# Altium PCB POV_LED.PcbDoc (part 1 of 2) (continued)
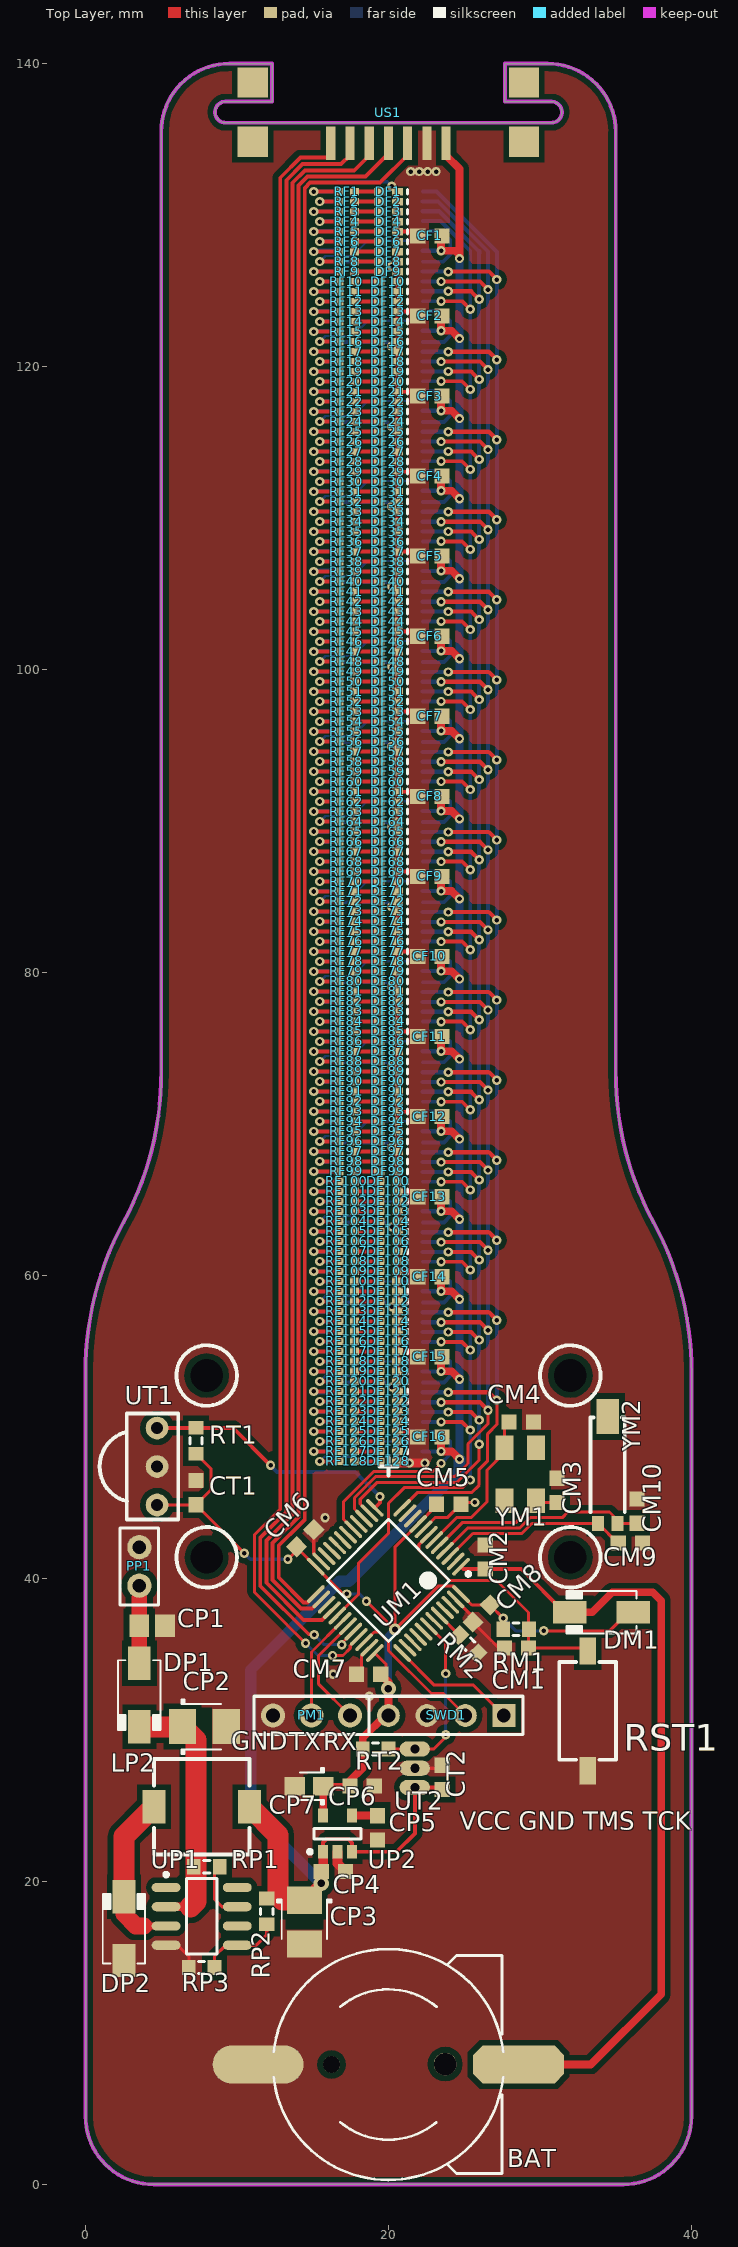
[diagram p0: Top Layer view]
## Footprints (in the part's own frame and the unit in brackets; to place one, negate y for a bottom-side part, rotate by r counter-clockwise, add the part's x,y. Pads: shape width x height; smd on the part's side, far side on the other; paste and mask are expansions set on the pad) (continued)
BATM [mm]
  round 1.1 hole 1.1 unplated: 0(0,3.748)
  round 1.5 hole 1.5 unplated: 0(0.025,-3.752)
  oct 2.5x6 smd: 1(0,-8.602)
  oval 2.5x6 smd: 2(0,8.598)
  silkscreen extent -7.62,-7.58 7.62,7.57
CAP_TAN_B1210 [mm]
  rect 1.8x2.3 smd: 1(-1.45,0) 2(1.45,0)
  Top Layer pour cut-out: -0.508,1.27 0.508,1.27 0.508,-1.27 -0.508,-1.27
  silkscreen extent -1.5,-1.8 1.1,1.8, body extent -1.75,-1.4 1.75,1.4, height 2.1
CAP_TAN_P0805 [mm]
  rect 1.35x1.2 smd: 1(-0.95,0) 2(0.95,0)
  Top Layer pour cut-out: -0.4,0.8 0.4,0.8 0.4,-0.8 -0.4,-0.8
  silkscreen extent -1,-1.2 0.6,1.2, body extent -1.02,-0.67 1.03,0.68, height 1.5
CAPC1608N [mm] "Chip Capacitor, Body 1.6x0.8mm, IPC Medium Density"
  rect 1x1 smd: 1(-0.8,0) 2(0.8,0)
  body extent -0.87,-0.48 0.87,0.48, height 0.85
CAPC2012N [mm] "Chip Capacitor, Body 2.0x1.3mm, IPC Medium Density"
  rect 1.3x1.5 smd: 1(-0.85,0) 2(0.85,0)
  body extent -1.1,-0.72 1.1,0.72, height 1.1
CD1005-0402-L [mm] "Chip Diode; Body 1.0 x 0.5 mm (LxW typ)"
  rect 0.7x0.5 smd: 1(0,0) 2(1.2,0)
  silkscreen extent 1.85,-0.15 1.85,0.15
DO-214AC [mm]
  rect 2.2x1.5 smd: 1(-2.1,0) 2(2.1,0)
  silkscreen extent -2.3,-1.4 2.3,1.4, body extent -2.6,-1.3 2.6,1.3, height 2.42
HDR1X2 [mm] "Connector; Header; 2 Position"
  round 1.6 hole 0.9: 1(0,0) 2(2.54,0)
  silkscreen extent -1.27,-1.27 3.81,1.27
HDR1X3 [mm] "Connector; Header; 3 Position"
  round 1.6 hole 0.9: 1(0,0) 2(2.54,0) 3(5.08,0)
  silkscreen extent -1.27,-1.27 6.32,1.27
HDR1X4 [mm] "Connector; Header; 4 Position"
  rect 1.5x1.5 hole 0.9: 1(0,0)
  round 1.5 hole 0.9: 2(2.54,0) 3(5.08,0) 4(7.62,0)
  silkscreen extent -1.27,-1.27 8.89,1.27
HS0038 [mm]
  round 1.5 hole 0.8: 1(0,0) 2(2.54,0) 3(5.08,0)
  silkscreen extent -0.96,-3.79 6.04,1.4
IND_7032 [mm]
  rect 1.5x2.2 smd: 1(0,0) 2(6.3,0)
  silkscreen extent 0,-3.15 6.3,3.15
LQFP48_L [mm] "Thin QFP, 48-Leads, Body 7x7mm, Pitch 0.5mm, IPC High Density"
  oval 1.55x0.25 smd: 1(-4.025,2.75) 2(-4.025,2.25) 3(-4.025,1.75) 4(-4.025,1.25) 5(-4.025,0.75) 6(-4.025,0.25) 7(-4.025,-0.25) 8(-4.025,-0.75) 9(-4.025,-1.25) 10(-4.025,-1.75) 11(-4.025,-2.25) 12(-4.025,-2.75) 25(4.025,-2.75) 26(4.025,-2.25) 27(4.025,-1.75) 28(4.025,-1.25) 29(4.025,-0.75) 30(4.025,-0.25) 31(4.025,0.25) 32(4.025,0.75) 33(4.025,1.25) 34(4.025,1.75) 35(4.025,2.25) 36(4.025,2.75)
  oval 0.25x1.55 smd: 13(-2.75,-4.025) 14(-2.25,-4.025) 15(-1.75,-4.025) 16(-1.25,-4.025) 17(-0.75,-4.025) 18(-0.25,-4.025) 19(0.25,-4.025) 20(0.75,-4.025) 21(1.25,-4.025) 22(1.75,-4.025) 23(2.25,-4.025) 24(2.75,-4.025) 37(2.75,4.025) 38(2.25,4.025) 39(1.75,4.025) 40(1.25,4.025) 41(0.75,4.025) 42(0.25,4.025) 43(-0.25,4.025) 44(-0.75,4.025) 45(-1.25,4.025) 46(-1.75,4.025) 47(-2.25,4.025) 48(-2.75,4.025)
  silkscreen extent -4.15,-2.85 2.85,3.55, body extent -3.5,-3.5 3.5,3.5, height 1.6
RESC1005L-0.5 [mm] "Chip Resistor, Body 1.1x0.5mm, IPC High Density"
  rect 0.6x0.5 smd: 1(-0.5,0) 2(0.5,0)
  body extent -0.55,-0.3 0.55,0.3, height 0.4
RESC1608N [mm] "Chip Resistor, Body 1.6x0.8mm, IPC Medium Density"
  rect 0.9x1 smd: 1(-0.85,0) 2(0.85,0)
  silkscreen extent -0.2,-0.4 0.2,0.4, body extent -0.85,-0.48 0.85,0.48, height 0.6
SOLID_LED1 [mm]
  rect 0.6x2.2 smd: 1(0,0) 2(1.27,0) 3(2.54,0) 4(3.81,0) 5(5.08,0) 6(6.35,0) 7(7.62,0)
  rect 2x2 smd: 8(-5.14,-0.1) 8(-5.14,-4.008) 8(12.76,-4.008) 8(12.76,-0.1)
  rect 2x2 smd far side: 8(-5.14,-0.1) 8(-5.14,-4.008) 8(12.76,-4.008) 8(12.76,-0.1)
SOP8_L [mm] "SOIC, 8-Leads, Body 4.9x3.9mm, Pitch 1.27mm, IPC High Density"
  oval 1.9x0.6 smd: 1(-2.35,1.905) 2(-2.35,0.635) 3(-2.35,-0.635) 4(-2.35,-1.905) 5(2.35,-1.905) 6(2.35,-0.635) 7(2.35,0.635) 8(2.35,1.905)
  silkscreen extent -2.47,-2.5 1,2.88, body extent -2,-2.5 2,2.5, height 1.75
SOT23-5_L [mm] "SOT23, 5-Leads, Body 2.9x1.6mm, Pitch 0.95mm, Lead Span 2.8mm, IPC High Density"
  rect 0.9x0.65 smd: 1(-1.2,0.95) 2(-1.2,0) 3(-1.2,-0.95) 4(1.2,-0.95) 5(1.2,0.95)
  silkscreen extent -1.32,-1.55 0.35,1.95, body extent -0.9,-1.55 0.9,1.55, height 1.45
SW-3x6 [mm] "3x6x2.5mm"
  rect 1.8x1.1 smd: 1(0,0) 2(7.9,0)
  silkscreen extent 0.72,-1.88 7.18,1.88
TSSOP-16N [mm] "TSOP, 16-Leads, Body 5.00x4.40mm, Pitch 0.65mm, IPC Medium Density"
  oval 1.55x0.3 smd: 1(-3.175,2.275) 2(-3.175,1.625) 3(-3.175,0.975) 4(-3.175,0.325) 5(-3.175,-0.325) 6(-3.175,-0.975) 7(-3.175,-1.625) 8(-3.175,-2.275) 9(2.425,-2.275) 10(2.425,-1.625) 11(2.425,-0.975) 12(2.425,-0.325) 13(2.425,0.325) 14(2.425,0.975) 15(2.425,1.625) 16(2.425,2.275)
  silkscreen extent -4.67,-2.45 1.3,2.45, body extent -2.15,-2.45 1.4,2.45, height 1.2
"XTAL-206 - duplicate" [mm] "圆柱晶振 2mm X 6mm"
  rect 0.8x1 smd: 1(0.004,0) 2(1.276,0)
  rect 1.5x2.3 smd: 3(0.64,7.054)
  silkscreen extent -0.49,0.76 1.77,7
XTAL-5032 [mm]
  rect 1.6x1.2 smd: 1(0,0) 2(3.5,2.1) 3(3.5,0) 4(0,2.1)

## Part data
BAT: library part BAT
CF1 CF2 CF3 CF4 CF5 CF6 CF7 CF8 CF9 CF10 CF11 CF12 CF13 CF14 CF15 CF16 CM1 CM2 CM3 CM4 CM5 CM6 CM7 CM8 CM9 CM10 CP1 CP2 CP3 CP4 CP5 CP6 CP7 CT1 CT2: "Capacitor"
DF1 DF2 DF3 DF4 DF5 DF6 DF7 DF8 DF9 DF10 DF11 DF12 DF13 DF14 DF15 DF16 DF17 DF18 DF19 DF20 DF21 DF22 DF23 DF24 DF25 DF26 DF27 DF28 DF29 DF30 DF31 DF32 DF33 DF34 DF35 DF36 DF37 DF38 DF39 DF40 DF41 DF42 DF43 DF44 DF45 DF46 DF47 DF48 DF49 DF50 DF51 DF52 DF53 DF54 DF55 DF56 DF57 DF58 DF59 DF60 DF61 DF62 DF63 DF64 DF65 DF66 DF67 DF68 DF69 DF70 DF71 DF72 DF73 DF74 DF75 DF76 DF77 DF78 DF79 DF80 DF81 DF82 DF83 DF84 DF85 DF86 DF87 DF88 DF89 DF90 DF91 DF92 DF93 DF94 DF95 DF96 DF97 DF98 DF99 DF100 DF101 DF102 DF103 DF104 DF105 DF106 DF107 DF108 DF109 DF110 DF111 DF112 DF113 DF114 DF115 DF116 DF117 DF118 DF119 DF120 DF121 DF122 DF123 DF124 DF125 DF126 DF127 DF128: library part LED2, "Typical RED, GREEN, YELLOW, AMBER GaAs LED"
DM1: "Schottky Diode"
DP1 DP2: library part "D Schottky", "Schottky Diode"
PM1: "Header, 3-Pin"
PP1: "Header, 2-Pin"
RF1 RF2 RF3 RF4 RF5 RF6 RF7 RF8 RF9 RF10 RF11 RF12 RF13 RF14 RF15 RF16 RF17 RF18 RF19 RF20 RF21 RF22 RF23 RF24 RF25 RF26 RF27 RF28 RF29 RF30 RF31 RF32 RF33 RF34 RF35 RF36 RF37 RF38 RF39 RF40 RF41 RF42 RF43 RF44 RF45 RF46 RF47 RF48 RF49 RF50 RF51 RF52 RF53 RF54 RF55 RF56 RF57 RF58 RF59 RF60 RF61 RF62 RF63 RF64 RF65 RF66 RF67 RF68 RF69 RF70 RF71 RF72 RF73 RF74 RF75 RF76 RF77 RF78 RF79 RF80 RF81 RF82 RF83 RF84 RF85 RF86 RF87 RF88 RF89 RF90 RF91 RF92 RF93 RF94 RF95 RF96 RF97 RF98 RF99 RF100 RF101 RF102 RF103 RF104 RF105 RF106 RF107 RF108 RF109 RF110 RF111 RF112 RF113 RF114 RF115 RF116 RF117 RF118 RF119 RF120 RF121 RF122 RF123 RF124 RF125 RF126 RF127 RF128 RM1 RM2 RP1 RP2 RP3 RT1 RT2: "Resistor"
RST1: "Switch"
SWD1: "Header, 4-Pin"
UF1 UF2 UF3 UF4 UF5 UF6 UF7 UF8 UF9 UF10 UF11 UF12 UF13 UF14 UF15 UF16: "8-Bit Serial-Input/Serial or Prallel-Output Shift Register with Latched 3-State Outputs"
UM1: "STM32 ARM-based 32-bit MCU with 64 Kbytes Flash, 48-pin LQFP, Industrial Temperature"
UP2: library part LDO-SOT23-5
YM1 YM2: library part XTAL, "Crystal Oscillator"

## Free pads (board coordinates)
  round 0 hole 2.15 unplated: 0(7.997,41.397) 0(7.997,53.397) 0(31.997,41.397) 0(31.997,53.397)
  round 0 hole 0.3 unplated: 0(19.997,47.397)

## Via types
v1: diameter 0.61, hole 0.3, Top Layer to Bottom Layer, tented both sides, 323 vias
v2: diameter 1, hole 0.5, Top Layer to Bottom Layer, tented both sides, 2 vias
v3: diameter 0.8, hole 0.4, Top Layer to Bottom Layer, tented both sides, 1 vias

## Nets (pads, with @x,y where several pads share a name; then routed paths per layer and width w, separated by ;. In a path a pad name is that pad's centre, name@x,y a point inside that pad or via, vN(x,y) a via of type N, cw(c..) or ccw(c..) an arc to the next point about the centre after c; other vN are vias at no path point)
+3V3: CM5.2 CM6.2 CM7.2 CM8.2 CP6.2 CP7.1 CT1.1 DM1.1 RM1.2 RT1.1 RT2.1 SWD1.4 UM1.9 UM1.24 UM1.36 UM1.48 UP2.5 UT1.3 | length 70.8
  Top Layer w0.203: UT1.3@4.724,44.851 7.277,44.851 CT1.1@7.29,44.864 ; RT1.1@7.29,48.243 8.28,47.252 8.28,45.855 CT1.1@7.29,44.864 ; v1(10.484,41.67) CT1.1@7.29,44.864 ; v1(13.36,41.27) CM6.2@13.936,41.845 ; CM6.2@14.036,41.945 UM1.24@15.206,40.774 16.997,38.984 v1(17.247,38.984) ; v1(18.542,38.501) v3(20.422,36.622) ; UM1.36@19.095,35.082 19.822,34.355 CM7.2@19.822,33.675 ; CM5.2@23.217,44.86 UM1.9@21.959,43.603 20.422,42.065 v3(20.422,36.622) ; RM1.2@27.57,36.647 v1(27.57,37.384) CM8.2@26.7,38.254 25.505,38.254 UM1.48@24.788,38.971 24.242,39.517 23.317,39.517 v3(20.422,36.622) ; v1(30.251,36.545) 34.595,36.545 35.814,37.765 DM1.1@36.161,37.765
  Top Layer w0.508: UP2.5@15.687,24.36 15.687,26.263 17.417,26.263 17.417,26.606 18.299,27.489 RT2.1@18.299,28.748 18.299,29.475 19.781,30.957 SWD1.4@19.997,30.957 19.997,33.17 CM7.2@19.492,33.675
  Bottom Layer w0.203: v1(10.484,41.67) 10.884,41.27 v1(13.36,41.27) ; v1(17.247,38.984) 18.059,38.984 v1(18.542,38.501) ; v1(27.57,37.384) 28.409,36.545 v1(30.251,36.545)
  Bottom Layer w0.508: v2(19.99,32.735) 19.99,36.19 v3(20.422,36.622)
+5V: CF1.2 CF2.2 CF3.2 CF4.2 CF5.2 CF6.2 CF7.2 CF8.2 CF9.2 CF10.2 CF11.2 CF12.2 CF13.2 CF14.2 CF15.2 CF16.2 CP3.1 CP4.2 CT2.1 LP2.2 RP2.2 UF1.16 UF2.16 UF3.16 UF4.16 UF5.16 UF6.16 UF7.16 UF8.16 UF9.16 UF10.16 UF11.16 UF12.16 UF13.16 UF14.16 UF15.16 UF16.16 UP2.1 UP2.3 US1.1 UT2.1 | length 207
  Top Layer w0.254: UP2.1@15.687,21.96 15.687,22.565 15.908,22.786 17.353,22.786 17.587,22.553 UP2.3@17.587,21.96 20.518,21.96 21.738,23.179 UT2.1@21.738,26.208 CT2.1@23.404,26.208
  Top Layer w0.508: CF16.2@23.467,49.424 v1(23.467,48.387) 24.168,48.387 v1(24.687,47.868) ; CF15.2@23.467,54.708 v1(23.467,53.671) 24.168,53.671 v1(24.687,53.152) ; CF14.2@23.467,59.992 v1(23.467,58.955) 24.168,58.955 v1(24.687,58.436) ; CF13.2@23.467,65.276 v1(23.467,64.239) 24.168,64.239 v1(24.687,63.72) ; CF12.2@23.467,70.56 v1(23.467,69.523) 24.168,69.523 v1(24.687,69.004) ; CF11.2@23.467,75.844 v1(23.467,74.807) 24.168,74.807 v1(24.687,74.288) ; CF10.2@23.467,81.127 v1(23.467,80.091) 24.168,80.091 v1(24.687,79.572) ; CF9.2@23.467,86.411 v1(23.467,85.375) 24.168,85.375 v1(24.687,84.856) ; CF8.2@23.467,91.695 v1(23.467,90.659) 24.168,90.659 v1(24.687,90.14) ; CF7.2@23.467,96.979 v1(23.467,95.943) 24.168,95.943 v1(24.687,95.424) ; CF6.2@23.467,102.263 v1(23.467,101.227) 24.168,101.227 v1(24.687,100.708) ; CF5.2@23.467,107.547 v1(23.467,106.511) 24.168,106.511 v1(24.687,105.992) ; CF4.2@23.467,112.831 v1(23.467,111.795) 24.168,111.795 v1(24.687,111.276) ; CF3.2@23.467,118.115 v1(23.467,117.079) 24.168,117.079 v1(24.687,116.56) ; CF2.2@23.467,123.399 v1(23.467,122.363) 24.168,122.363 v1(24.687,121.844) ; CF1.2@23.481,128.697 23.467,128.683 v1(23.467,127.646) 24.416,127.646 24.687,127.376 v1(24.687,127.127) 24.687,133.04 23.807,133.92 US1.1@23.807,134.735
  Top Layer w0.635: CP4.2@15.687,20.745 UP2.1@15.687,21.96
  Top Layer w0.762: CP3.1@14.453,18.768 v2(15.558,19.873) CP4.2@15.558,20.67
  Top Layer w1.397: LP2.2@10.819,24.938 12.703,23.054 12.703,19.068 13.003,18.768 CP3.1@14.453,18.768
  Bottom Layer w0.279: UF16.16@22.26,48.387 v1(23.467,48.387) ; UF15.16@22.26,53.671 v1(23.467,53.671) ; UF14.16@22.26,58.955 v1(23.467,58.955) ; UF13.16@22.26,64.239 v1(23.467,64.239) ; UF12.16@22.26,69.523 v1(23.467,69.523) ; UF11.16@22.26,74.807 v1(23.467,74.807) ; UF10.16@22.26,80.091 v1(23.467,80.091) ; UF9.16@22.26,85.375 v1(23.467,85.375) ; UF8.16@22.26,90.659 v1(23.467,90.659) ; UF7.16@22.26,95.943 v1(23.467,95.943) ; UF6.16@22.26,101.227 v1(23.467,101.227) ; UF5.16@22.26,106.511 v1(23.467,106.511) ; UF4.16@22.26,111.795 v1(23.467,111.795) ; UF3.16@22.26,117.079 v1(23.467,117.079) ; UF2.16@22.26,122.363 v1(23.467,122.363) ; UF1.16@22.26,127.646 v1(23.467,127.646)
  Bottom Layer w0.508: v1(24.687,47.868) v1(24.687,53.152) v1(24.687,58.436) v1(24.687,63.72) v1(24.687,69.004) v1(24.687,74.288) v1(24.687,79.572) v1(24.687,84.856) v1(24.687,90.14) v1(24.687,95.424) v1(24.687,100.708) v1(24.687,105.992) v1(24.687,111.276) v1(24.687,116.56) v1(24.687,121.844) v1(24.687,127.127)
  Bottom Layer w0.762: v2(15.558,19.873) 10.897,24.534 10.897,33.955 16.764,39.822 17.385,39.822 24.687,47.124 v1(24.687,47.868)
BAT: BAT.1 CM2.2 DM1.2 UM1.1 | length 52.5
  Top Layer w0.254: UM1.1@24.788,40.774 24.94,40.622 CM2.2@26.391,40.622 28.765,40.622 31.623,37.765 DM1.2@31.961,37.765
  Top Layer w0.508: BAT.1@28.591,7.92 33.35,7.92 37.998,12.568 37.998,38.538 37.451,39.085 34.773,39.085 33.452,37.765 DM1.2@31.961,37.765
BOOT0: RM2.1 UM1.44 | length 1.8
  Top Layer w0.203: UM1.44@23.373,37.557 RM2.1@24.67,36.261
BOOT1: UM1.19
CS: UF1.12 UF2.12 UF3.12 UF4.12 UF5.12 UF6.12 UF7.12 UF8.12 UF9.12 UF10.12 UF11.12 UF12.12 UF13.12 UF14.12 UF15.12 UF16.12 UM1.14 | length 153.8
  Top Layer w0.203: UM1.14@18.742,44.31 18.133,44.918 18.133,45.233 19.224,46.324 24.483,46.324 25.982,47.823 v1(25.982,48.864)
  Top Layer w0.279: v1(23.95,50.987) 25.455,50.987 v1(25.982,50.46) ; v1(23.95,56.271) 25.455,56.271 v1(25.982,55.744) ; v1(23.95,61.555) 25.455,61.555 v1(25.982,61.027) ; v1(23.95,66.839) 25.455,66.839 v1(25.982,66.311) ; v1(23.95,72.123) 25.455,72.123 v1(25.982,71.595) ; v1(23.95,77.407) 25.455,77.407 v1(25.982,76.879) ; v1(23.95,82.691) 25.455,82.691 v1(25.982,82.163) ; v1(23.95,87.975) 25.455,87.975 v1(25.982,87.447) ; v1(23.95,93.259) 25.455,93.259 v1(25.982,92.731) ; v1(23.95,98.543) 25.455,98.543 v1(25.982,98.015) ; v1(23.95,103.827) 25.455,103.827 v1(25.982,103.299) ; v1(23.95,109.111) 25.455,109.111 v1(25.982,108.583) ; v1(23.95,114.395) 25.455,114.395 v1(25.982,113.867) ; v1(23.95,119.679) 25.455,119.679 v1(25.982,119.151) ; v1(23.95,124.963) 25.455,124.963 v1(25.982,124.435)
  Bottom Layer w0.254: v1(25.982,48.864) v1(25.982,50.46) v1(25.982,55.744) v1(25.982,61.027) v1(25.982,66.311) v1(25.982,71.595) v1(25.982,76.879) v1(25.982,82.163) v1(25.982,87.447) v1(25.982,92.731) v1(25.982,98.015) v1(25.982,103.299) v1(25.982,108.583) v1(25.982,113.867) v1(25.982,119.151) v1(25.982,124.435) 25.982,127.483
  Bottom Layer w0.279: UF16.12@22.26,50.987 v1(23.95,50.987) ; UF15.12@22.26,56.271 v1(23.95,56.271) ; UF14.12@22.26,61.555 v1(23.95,61.555) ; UF13.12@22.26,66.839 v1(23.95,66.839) ; UF12.12@22.26,72.123 v1(23.95,72.123) ; UF11.12@22.26,77.407 v1(23.95,77.407) ; UF10.12@22.26,82.691 v1(23.95,82.691) ; UF9.12@22.26,87.975 v1(23.95,87.975) ; UF8.12@22.26,93.259 v1(23.95,93.259) ; UF7.12@22.26,98.543 v1(23.95,98.543) ; UF6.12@22.26,103.827 v1(23.95,103.827) ; UF5.12@22.26,109.111 v1(23.95,109.111) ; UF4.12@22.26,114.395 v1(23.95,114.395) ; UF3.12@22.26,119.679 v1(23.95,119.679) ; UF2.12@22.26,124.963 v1(23.95,124.963) ; UF1.12@22.26,130.246 23.338,130.246 25.982,127.602 25.982,127.483
FLAT_PWM: UF1.13 UF2.13 UF3.13 UF4.13 UF5.13 UF6.13 UF7.13 UF8.13 UF9.13 UF10.13 UF11.13 UF12.13 UF13.13 UF14.13 UF15.13 UF16.13 UM1.29 | length 150.3
  Top Layer w0.203: UM1.29@16.621,37.557 18.009,38.945 18.009,40.99 19.997,42.979 19.997,44.962 21.029,45.994 24.89,45.994 v1(25.398,46.502)
  Top Layer w0.254: v1(23.467,50.337) 24.86,50.337 v1(25.398,49.799) ; v1(23.467,55.621) 24.86,55.621 v1(25.398,55.083) ; v1(23.467,60.905) 24.86,60.905 v1(25.398,60.367) ; v1(23.467,66.189) 24.86,66.189 v1(25.398,65.651) ; v1(23.467,71.473) 24.86,71.473 v1(25.398,70.935) ; v1(23.467,76.757) 24.86,76.757 v1(25.398,76.219) ; v1(23.467,82.041) 24.86,82.041 v1(25.398,81.503) ; v1(23.467,87.325) 24.86,87.325 v1(25.398,86.787) ; v1(23.467,92.609) 24.86,92.609 v1(25.398,92.071) ; v1(23.467,97.893) 24.86,97.893 v1(25.398,97.355) ; v1(23.467,103.177) 24.86,103.177 v1(25.398,102.639) ; v1(23.467,108.461) 24.86,108.461 v1(25.398,107.923) ; v1(23.467,113.745) 24.86,113.745 v1(25.398,113.207) ; v1(23.467,119.029) 24.86,119.029 v1(25.398,118.491) ; v1(23.467,124.313) 24.86,124.313 v1(25.398,123.775)
  Bottom Layer w0.254: UF16.13@22.26,50.337 v1(23.467,50.337) ; UF15.13@22.26,55.621 v1(23.467,55.621) ; UF14.13@22.26,60.905 v1(23.467,60.905) ; UF13.13@22.26,66.189 v1(23.467,66.189) ; UF12.13@22.26,71.473 v1(23.467,71.473) ; UF11.13@22.26,76.757 v1(23.467,76.757) ; UF10.13@22.26,82.041 v1(23.467,82.041) ; UF9.13@22.26,87.325 v1(23.467,87.325) ; UF8.13@22.26,92.609 v1(23.467,92.609) ; UF7.13@22.26,97.893 v1(23.467,97.893) ; UF6.13@22.26,103.177 v1(23.467,103.177) ; UF5.13@22.26,108.461 v1(23.467,108.461) ; UF4.13@22.26,113.745 v1(23.467,113.745) ; UF3.13@22.26,119.029 v1(23.467,119.029) ; UF2.13@22.26,124.313 v1(23.467,124.313) ; UF1.13@22.26,129.596 23.431,129.596 25.398,127.63 v1(25.398,123.775) v1(25.398,118.491) v1(25.398,113.207) v1(25.398,107.923) v1(25.398,102.639) v1(25.398,97.355) v1(25.398,92.071) v1(25.398,86.787) v1(25.398,81.503) v1(25.398,76.219) v1(25.398,70.935) v1(25.398,65.651) v1(25.398,60.367) v1(25.398,55.083) v1(25.398,49.799) v1(25.398,46.502)
FLAT_RST: UF1.10 UF2.10 UF3.10 UF4.10 UF5.10 UF6.10 UF7.10 UF8.10 UF9.10 UF10.10 UF11.10 UF12.10 UF13.10 UF14.10 UF15.10 UF16.10 UM1.12 | length 170.8
  Top Layer w0.203: UM1.12@20.899,44.663 21.899,45.664 25.484,45.664 25.982,46.162 25.982,47.213 26.541,47.772 26.541,49.55 27.15,50.16 v1(27.15,51.76)
  Top Layer w0.279: v1(23.95,52.287) 26.623,52.287 v1(27.15,51.76) ; v1(23.95,57.571) 26.623,57.571 v1(27.15,57.044) ; v1(23.95,62.855) 26.623,62.855 v1(27.15,62.327) ; v1(23.95,68.139) 26.623,68.139 v1(27.15,67.611) ; v1(23.95,73.423) 26.623,73.423 v1(27.15,72.895) ; v1(23.95,78.707) 26.623,78.707 v1(27.15,78.179) ; v1(23.95,83.991) 26.623,83.991 v1(27.15,83.463) ; v1(23.95,89.275) 26.623,89.275 v1(27.15,88.747) ; v1(23.95,94.559) 26.623,94.559 v1(27.15,94.031) ; v1(23.95,99.843) 26.623,99.843 v1(27.15,99.315) ; v1(23.95,105.127) 26.623,105.127 v1(27.15,104.599) ; v1(23.95,110.411) 26.623,110.411 v1(27.15,109.883) ; v1(23.95,115.695) 26.623,115.695 v1(27.15,115.167) ; v1(23.95,120.979) 26.623,120.979 v1(27.15,120.451) ; v1(23.95,126.263) 26.623,126.263 v1(27.15,125.735)
  Bottom Layer w0.254: UF1.10@22.26,131.546 23.169,131.546 27.15,127.565 v1(27.15,125.735) v1(27.15,120.451) v1(27.15,115.167) v1(27.15,109.883) v1(27.15,104.599) v1(27.15,99.315) v1(27.15,94.031) v1(27.15,88.747) v1(27.15,83.463) v1(27.15,78.179) v1(27.15,72.895) v1(27.15,67.611) v1(27.15,62.327) v1(27.15,57.044) v1(27.15,51.76)
  Bottom Layer w0.279: UF16.10@22.26,52.287 v1(23.95,52.287) ; UF15.10@22.26,57.571 v1(23.95,57.571) ; UF14.10@22.26,62.855 v1(23.95,62.855) ; UF13.10@22.26,68.139 v1(23.95,68.139) ; UF12.10@22.26,73.423 v1(23.95,73.423) ; UF11.10@22.26,78.707 v1(23.95,78.707) ; UF10.10@22.26,83.991 v1(23.95,83.991) ; UF9.10@22.26,89.275 v1(23.95,89.275) ; UF8.10@22.26,94.559 v1(23.95,94.559) ; UF7.10@22.26,99.843 v1(23.95,99.843) ; UF6.10@22.26,105.127 v1(23.95,105.127) ; UF5.10@22.26,110.411 v1(23.95,110.411) ; UF4.10@22.26,115.695 v1(23.95,115.695) ; UF3.10@22.26,120.979 v1(23.95,120.979) ; UF2.10@22.26,126.263 v1(23.95,126.263)
GND: BAT.2 CF1.1 CF2.1 CF3.1 CF4.1 CF5.1 CF6.1 CF7.1 CF8.1 CF9.1 CF10.1 CF11.1 CF12.1 CF13.1 CF14.1 CF15.1 CF16.1 CM1.1 CM2.1 CM3.1 CM4.1 CM5.1 CM6.1 CM7.1 CM8.1 CM9.1 CM10.1 CP1.1 CP2.2 CP3.2 CP4.1 CP5.1 CP6.1 CP7.2 CT1.2 CT2.2 DF1.2 DF2.2 DF3.2 DF4.2 DF5.2 DF6.2 DF7.2 DF8.2 DF9.2 DF10.2 DF11.2 DF12.2 DF13.2 DF14.2 DF15.2 DF16.2 DF17.2 DF18.2 DF19.2 DF20.2 DF21.2 DF22.2 DF23.2 DF24.2 DF25.2 DF26.2 DF27.2 DF28.2 DF29.2 DF30.2 DF31.2 DF32.2 DF33.2 DF34.2 DF35.2 DF36.2 DF37.2 DF38.2 DF39.2 DF40.2 DF41.2 DF42.2 DF43.2 DF44.2 DF45.2 DF46.2 DF47.2 DF48.2 DF49.2 DF50.2 DF51.2 DF52.2 DF53.2 DF54.2 DF55.2 DF56.2 DF57.2 DF58.2 DF59.2 DF60.2 DF61.2 DF62.2 DF63.2 DF64.2 DF65.2 DF66.2 DF67.2 DF68.2 DF69.2 DF70.2 DF71.2 DF72.2 DF73.2 DF74.2 DF75.2 DF76.2 DF77.2 DF78.2 DF79.2 DF80.2 DF81.2 DF82.2 DF83.2 DF84.2 DF85.2 DF86.2 DF87.2 DF88.2 DF89.2 DF90.2 DF91.2 DF92.2 DF93.2 DF94.2 DF95.2 DF96.2 DF97.2 DF98.2 DF99.2 DF100.2 DF101.2 DF102.2 DF103.2 DF104.2 DF105.2 DF106.2 DF107.2 DF108.2 DF109.2 DF110.2 DF111.2 DF112.2 DF113.2 DF114.2 DF115.2 DF116.2 DF117.2 DF118.2 DF119.2 DF120.2 DF121.2 DF122.2 DF123.2 DF124.2 DF125.2 DF126.2 DF127.2 DF128.2 DP2.1 PM1.3 PP1.1 RM2.2 RP3.1 RST1.1 SWD1.3 UF1.8 UF2.8 UF3.8 UF4.8 UF5.8 UF6.8 UF7.8 UF8.8 UF9.8 UF10.8 UF11.8 UF12.8 UF13.8 UF14.8 UF15.8 UF16.8 UM1.8 UM1.23 UM1.35 UM1.47 UP1.4 UP2.2 US1.2 UT1.2 UT2.2 | length 179.4
  Top Layer w0.203: UP1.4@5.319,15.794 6.074,15.794 6.819,15.049 RP3.1@6.819,14.32 ; CM6.1@15.067,43.232 15.067,41.621 UM1.23@15.56,41.128 ; CM7.1@18.222,33.675 18.222,34.916 UM1.35@18.742,35.436 ; UM1.8@22.313,43.249 23.102,44.038 23.912,44.038 CM5.1@24.775,44.902 24.894,45.021 v1(25.708,45.021) ; UM1.47@24.434,38.618 CM8.1@25.569,37.483 ; CM8.1@25.569,37.123 CM1.1@27.289,35.402
  Top Layer w0.254: DF128.2@20.597,47.727 DF127.2@20.597,48.387 DF126.2@20.597,49.047 DF125.2@20.597,49.707 DF124.2@20.597,50.367 DF123.2@20.597,51.027 DF122.2@20.597,51.687 DF121.2@20.597,52.347 DF120.2@20.597,53.007 DF119.2@20.597,53.667 DF118.2@20.597,54.327 DF117.2@20.597,54.987 DF116.2@20.597,55.647 DF115.2@20.597,56.307 DF114.2@20.597,56.967 DF113.2@20.597,57.627 DF112.2@20.597,58.287 DF111.2@20.597,58.947 DF110.2@20.597,59.607 DF109.2@20.597,60.267 DF108.2@20.597,60.927 DF107.2@20.597,61.587 DF106.2@20.597,62.247 DF105.2@20.597,62.907 DF104.2@20.597,63.567 DF103.2@20.597,64.227 DF102.2@20.597,64.887 DF101.2@20.597,65.547 ; DF125.2@20.597,49.692 CF16.1@21.645,49.692 ; DF117.2@20.597,54.977 CF15.1@21.645,54.977 ; DF109.2@20.597,60.262 CF14.1@21.645,60.262 ; DF93.2@20.597,70.812 CF12.1@21.645,70.812 ; DF85.2@20.597,76.097 CF11.1@21.645,76.097 ; DF77.2@20.597,81.382 CF10.1@21.645,81.382 ; DF61.2@20.597,91.932 CF8.1@21.645,91.932 ; DF53.2@20.597,97.217 CF7.1@21.645,97.217 ; DF45.2@20.597,102.502 CF6.1@21.645,102.502 ; DF29.2@20.597,113.052 CF4.1@21.645,113.052 ; DF21.2@20.597,118.337 CF3.1@21.645,118.337 ; DF13.2@20.597,123.622 CF2.1@21.645,123.622 ; DF1.2@20.597,131.546 DF2.2@20.597,130.886 DF3.2@20.597,130.226 DF4.2@20.597,129.566 DF5.2@20.597,128.906 ; CF13.1@21.645,65.547 DF101.2@20.597,65.547 ; CF9.1@21.645,86.667 DF69.2@20.597,86.667 ; CF5.1@21.645,107.787 DF37.2@20.597,107.787 ; CF1.1@21.645,128.906 DF5.2@20.597,128.906 ; UT2.2@21.738,27.478 CT2.2@23.353,27.478 ; DF101.2@20.597,65.547 DF100.2@20.597,66.207 DF99.2@20.597,66.867 DF98.2@20.597,67.527 DF97.2@20.597,68.187 DF96.2@20.597,68.847 DF95.2@20.597,69.507 DF94.2@20.597,70.167 DF93.2@20.597,70.827 DF92.2@20.597,71.487 DF91.2@20.597,72.147 DF90.2@20.597,72.807 DF89.2@20.597,73.467 DF88.2@20.597,74.127 DF87.2@20.597,74.787 DF86.2@20.597,75.447 DF85.2@20.597,76.107 DF84.2@20.597,76.767 DF83.2@20.597,77.427 DF82.2@20.597,78.087 DF81.2@20.597,78.747 DF80.2@20.597,79.407 DF79.2@20.597,80.067 DF78.2@20.597,80.727 DF77.2@20.597,81.387 DF76.2@20.597,82.047 DF75.2@20.597,82.707 DF74.2@20.597,83.367 DF73.2@20.597,84.027 DF72.2@20.597,84.687 DF71.2@20.597,85.347 DF70.2@20.597,86.007 DF69.2@20.597,86.667 ; DF69.2@20.597,86.667 DF68.2@20.597,87.327 DF67.2@20.597,87.987 DF66.2@20.597,88.647 DF65.2@20.597,89.307 DF64.2@20.597,89.967 DF63.2@20.597,90.627 DF62.2@20.597,91.287 DF61.2@20.597,91.947 DF60.2@20.597,92.607 DF59.2@20.597,93.267 DF58.2@20.597,93.927 DF57.2@20.597,94.587 DF56.2@20.597,95.247 DF55.2@20.597,95.907 DF54.2@20.597,96.567 DF53.2@20.597,97.227 DF52.2@20.597,97.887 DF51.2@20.597,98.547 DF50.2@20.597,99.207 DF49.2@20.597,99.867 DF48.2@20.597,100.527 DF47.2@20.597,101.187 DF46.2@20.597,101.847 DF45.2@20.597,102.507 DF44.2@20.597,103.167 DF43.2@20.597,103.827 DF42.2@20.597,104.487 DF41.2@20.597,105.147 DF40.2@20.597,105.807 DF39.2@20.597,106.467 DF38.2@20.597,107.127 DF37.2@20.597,107.787 ; DF37.2@20.597,107.787 DF36.2@20.597,108.447 DF35.2@20.597,109.107 DF34.2@20.597,109.767 DF33.2@20.597,110.427 DF32.2@20.597,111.087 DF31.2@20.597,111.747 DF30.2@20.597,112.407 DF29.2@20.597,113.067 DF28.2@20.597,113.727 DF27.2@20.597,114.387 DF26.2@20.597,115.047 DF25.2@20.597,115.707 DF24.2@20.597,116.367 DF23.2@20.597,117.027 DF22.2@20.597,117.687 DF21.2@20.597,118.347 DF20.2@20.597,119.007 DF19.2@20.597,119.667 DF18.2@20.597,120.327 DF17.2@20.597,120.987 DF16.2@20.597,121.647 DF15.2@20.597,122.307 DF14.2@20.597,122.967 DF13.2@20.597,123.627 DF12.2@20.597,124.287 DF11.2@20.597,124.947 DF10.2@20.597,125.607 DF9.2@20.597,126.267 DF8.2@20.597,126.927 DF7.2@20.597,127.587 DF6.2@20.597,128.247 DF5.2@20.597,128.906
  Top Layer w0.6: DF128.2@20.597,47.727 20.699,47.625 v1(22.403,47.625)
  Top Layer w0.635: UP2.2@16.637,21.96 16.637,21.191 CP4.1@17.158,20.67
  Bottom Layer w0.254: UF16.8@16.66,52.937 19.917,52.937 v1(20.216,52.638) ; UF15.8@16.66,58.221 19.917,58.221 v1(20.216,57.922) ; UF14.8@16.66,63.505 19.917,63.505 v1(20.216,63.206) ; UF13.8@16.66,68.789 19.917,68.789 v1(20.216,68.49) ; UF12.8@16.66,74.073 19.917,74.073 v1(20.216,73.774) ; UF11.8@16.66,79.357 19.917,79.357 v1(20.216,79.058) ; UF10.8@16.66,84.641 19.917,84.641 v1(20.216,84.342) ; UF9.8@16.66,89.925 19.917,89.925 v1(20.216,89.626) ; UF8.8@16.66,95.209 19.917,95.209 v1(20.216,94.91) ; UF7.8@16.66,100.493 19.917,100.493 v1(20.216,100.194) ; UF6.8@16.66,105.777 19.917,105.777 v1(20.216,105.478) ; UF5.8@16.66,111.061 19.917,111.061 v1(20.216,110.762) ; UF4.8@16.66,116.345 19.917,116.345 v1(20.216,116.046) ; UF3.8@16.66,121.629 19.917,121.629 v1(20.216,121.33) ; UF2.8@16.66,126.913 19.917,126.913 v1(20.216,126.614) ; UF1.8@16.66,132.196 19.917,132.196 v1(20.216,131.898)
  other v1: 18.727,32.227 16.345,33.675 15.812,44.013 21.361,47.625 21.463,132.867 22.022,132.867 22.581,132.867 23.139,132.867
HALL: RT2.2 UM1.42 UT2.3 | length 11.9
  Top Layer w0.203: RT2.2@19.999,28.748 UT2.3@21.738,28.748 22.985,28.748 23.772,29.535 v1(23.772,29.687) ; UM1.42@22.666,36.85 23.772,35.744 v1(23.772,33.726)
  Bottom Layer w0.203: v1(23.772,29.687) v1(23.772,33.726)
IR: RT1.2 UM1.13 UT1.1 | length 17.5
  Top Layer w0.254: UT1.1@4.724,49.931 9.754,49.931 v1(12.217,47.467) ; UM1.13@19.095,44.663 19.431,44.999 v1(19.431,45.41)
  Bottom Layer w0.254: v1(12.217,47.467) 12.649,47.036 17.805,47.036 v1(19.431,45.41)
NetCM9_2: CM9.2 UM1.3 YM2.1 | length 12.5
  Top Layer w0.203: UM1.3@24.081,41.481 25.571,42.972 28.801,42.972 29.462,43.632 YM2.1@33.835,43.632 CM9.2@35.13,42.337
NetCM10_2: CM10.2 UM1.4 YM2.2 | length 14.2
  Top Layer w0.203: UM1.4@23.727,41.835 25.219,43.327 28.649,43.327 29.335,44.013 31.469,44.013 31.842,44.386 34.585,44.386 35.107,43.864 YM2.2@35.107,43.632 CM10.2@36.396,43.632
NetCP1_2: CP1.2 DP1.1 PP1.2 | length 4.3
  Top Layer w1.016: DP1.1@3.556,34.404 PP1.2@3.556,38.73
NetCP2_1: CP2.1 DP1.2 RP1.1 UP1.2 | length 16.9
  Top Layer w0.584: UP1.2@5.319,18.334 6.932,18.334
  Top Layer w1.397: DP1.2@3.556,30.204 6.416,30.204 7.29,29.33 7.29,18.691 6.932,18.334
NetCP5_2: CP5.2 UP2.4 | length 1.7
  Top Layer w0.508: UP2.4@17.587,24.36 CP5.2@19.26,24.36
NetDF1_1: DF1.1 RF1.2 | length 1.7
  Top Layer w0.254: RF1.2@17.744,131.546 DF1.1@19.397,131.546
NetDF2_1: DF2.1 RF2.2 | length 1.7
  Top Layer w0.254: RF2.2@17.744,130.886 DF2.1@19.397,130.886
NetDF3_1: DF3.1 RF3.2 | length 1.7
  Top Layer w0.254: RF3.2@17.744,130.226 DF3.1@19.397,130.226
NetDF4_1: DF4.1 RF4.2 | length 1.7
  Top Layer w0.254: RF4.2@17.744,129.566 DF4.1@19.397,129.566
NetDF5_1: DF5.1 RF5.2 | length 1.7
  Top Layer w0.254: RF5.2@17.744,128.906 DF5.1@19.397,128.906
NetDF6_1: DF6.1 RF6.2 | length 1.7
  Top Layer w0.254: RF6.2@17.744,128.247 DF6.1@19.397,128.247
NetDF7_1: DF7.1 RF7.2 | length 1.7
  Top Layer w0.254: RF7.2@17.744,127.587 DF7.1@19.397,127.587
NetDF8_1: DF8.1 RF8.2 | length 1.7
  Top Layer w0.254: RF8.2@17.744,126.927 DF8.1@19.397,126.927
NetDF9_1: DF9.1 RF9.2 | length 1.7
  Top Layer w0.254: RF9.2@17.744,126.267 DF9.1@19.397,126.267
NetDF10_1: DF10.1 RF10.2 | length 1.7
  Top Layer w0.254: RF10.2@17.744,125.607 DF10.1@19.397,125.607
NetDF11_1: DF11.1 RF11.2 | length 1.7
  Top Layer w0.254: RF11.2@17.744,124.947 DF11.1@19.397,124.947
NetDF12_1: DF12.1 RF12.2 | length 1.7
  Top Layer w0.254: RF12.2@17.744,124.287 DF12.1@19.397,124.287
NetDF13_1: DF13.1 RF13.2 | length 1.7
  Top Layer w0.254: RF13.2@17.744,123.627 DF13.1@19.397,123.627
NetDF14_1: DF14.1 RF14.2 | length 1.7
  Top Layer w0.254: RF14.2@17.744,122.967 DF14.1@19.397,122.967
NetDF15_1: DF15.1 RF15.2 | length 1.7
  Top Layer w0.254: RF15.2@17.744,122.307 DF15.1@19.397,122.307
NetDF16_1: DF16.1 RF16.2 | length 1.7
  Top Layer w0.254: RF16.2@17.744,121.647 DF16.1@19.397,121.647